# Altium PCB radxa_cm3s_io_board_V1510.PcbDoc (part 2 of 4) (continued)
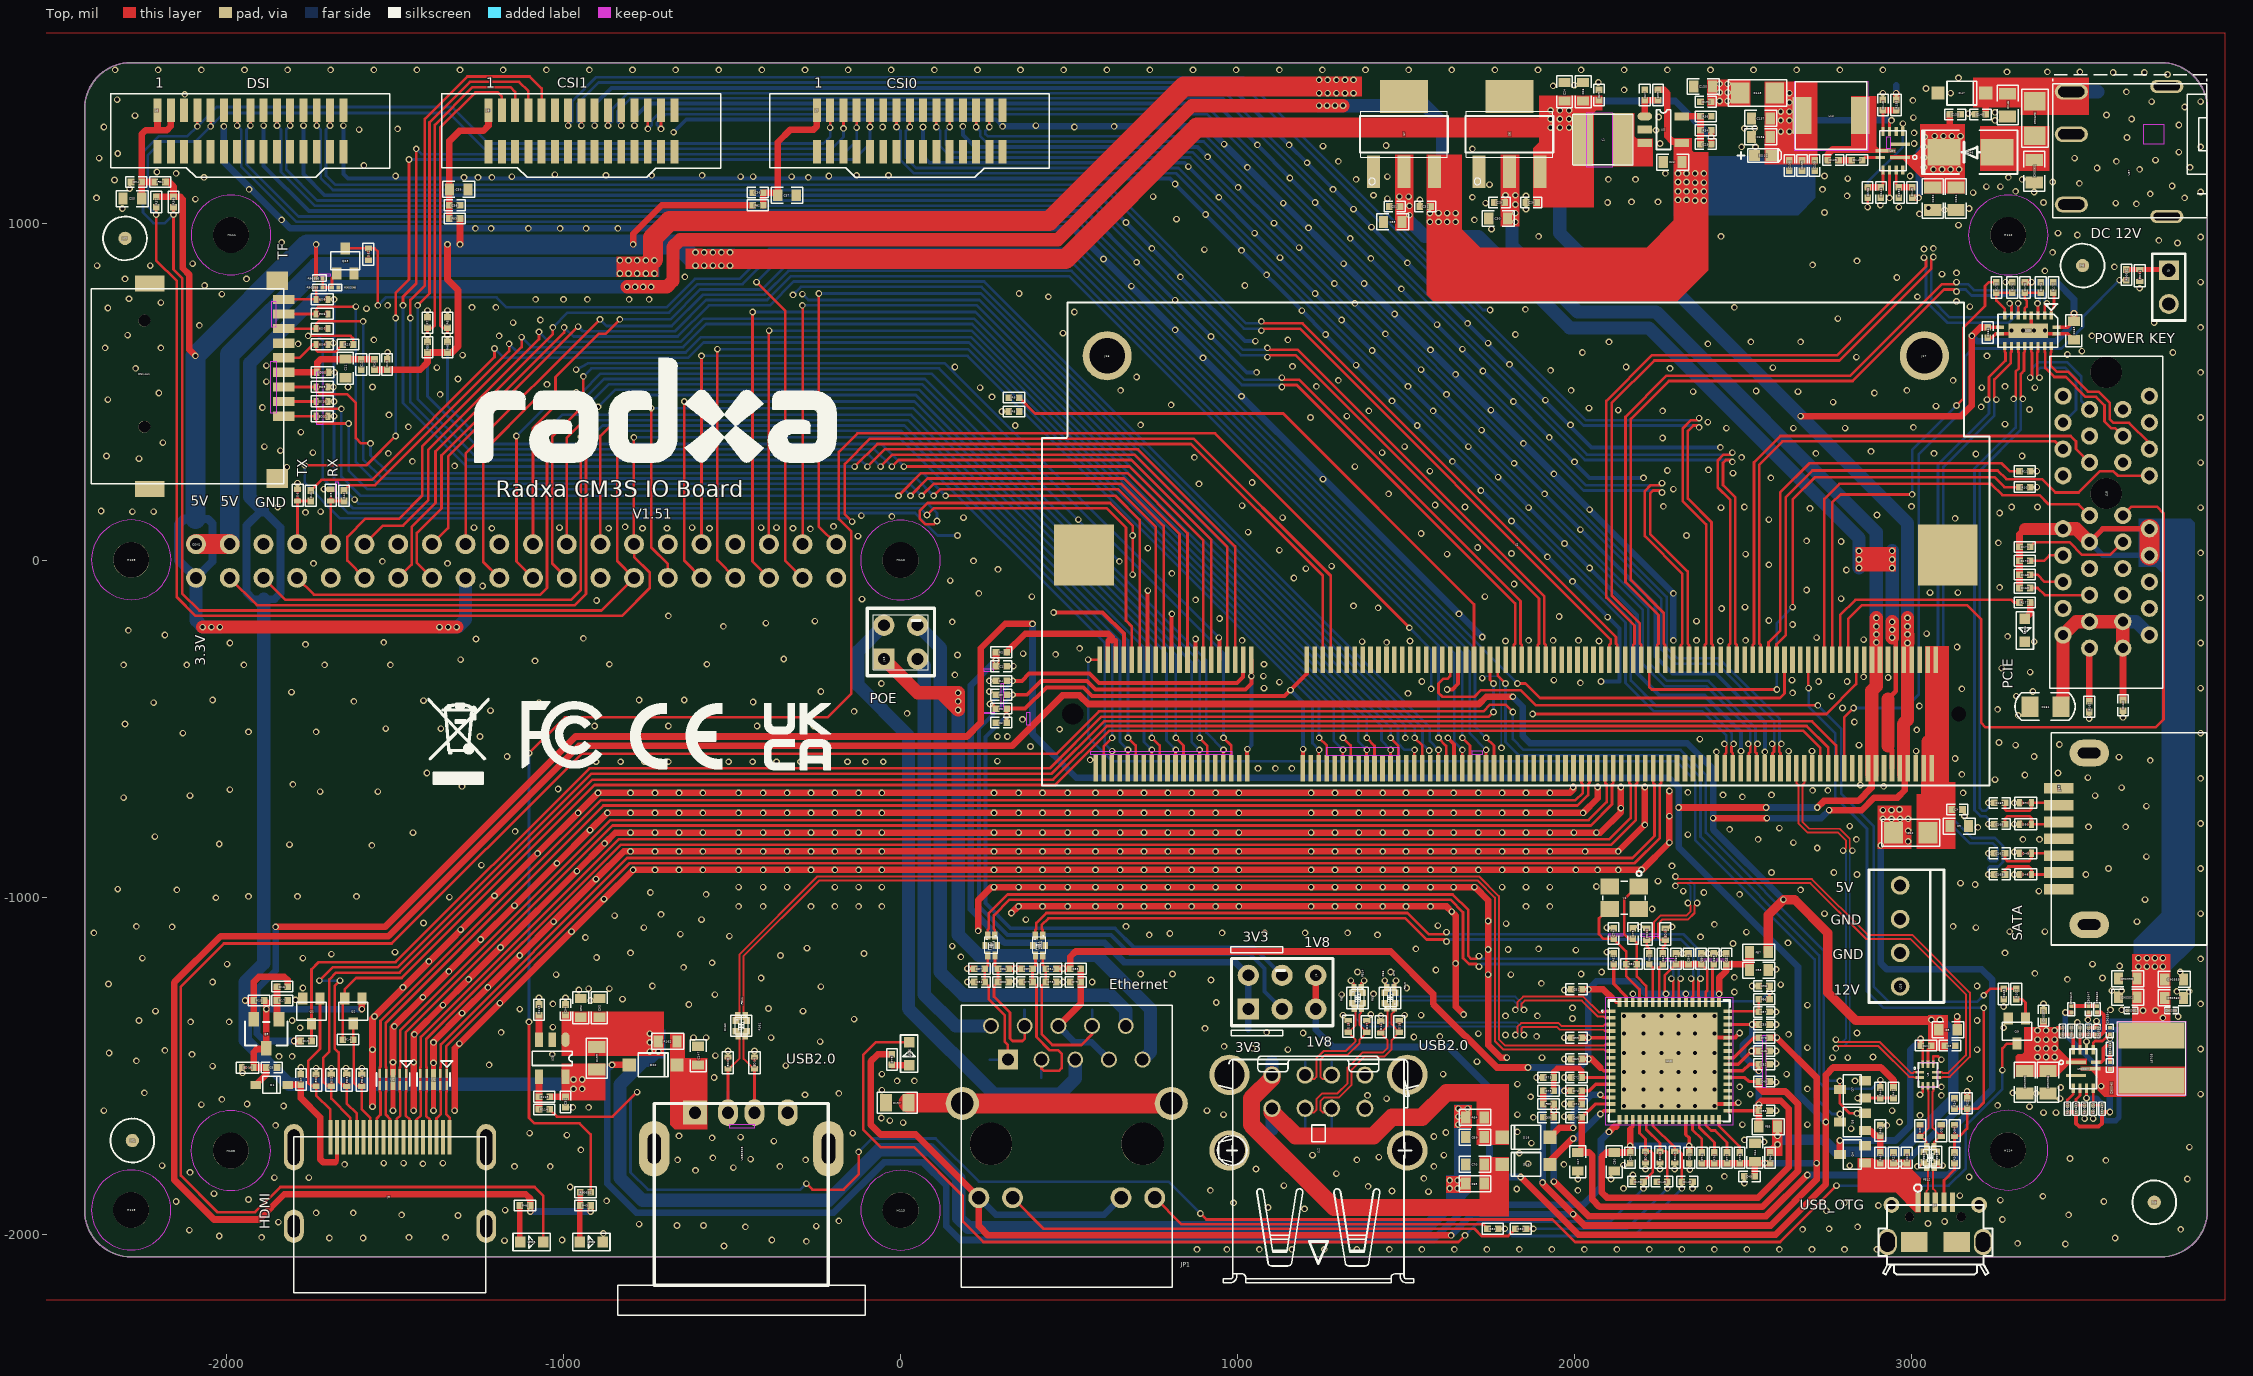
[diagram p0: Top view]
## Nets (pads, with @x,y where several pads share a name; then routed paths per layer and width w, separated by ;. In a path a pad name is that pad's centre, name@x,y a point inside that pad or via, vN(x,y) a via of type N, cw(c..) or ccw(c..) an arc to the next point about the centre after c; other vN are vias at no path point) (continued)
  other v1: 879.92,-2045.28 968.5,-2045.28 1064.96,-2045.28 1161.42,-2045.28 1257.87,-2045.28 1354.33,-2045.28 1450.79,-2045.28 1547.24,-2045.28 1643.7,-2045.28 1740.16,-2045.28 1836.61,-2045.28 1933.07,-2045.28 2029.53,-2045.28 2125.98,-2045.28 2222.44,-2045.28 2318.9,-2045.28 2415.35,-2045.28 2511.81,-2045.28 2608.27,-2045.28 2704.72,-2045.28 2801.18,-2045.28 2897.64,-2045.28 -523.62,-2035.43 3456.69,-2029.53 3314.96,-2027.56 -279.53,-2021.65 -1175.2,-2019.68 -1003.94,-2017.72 -381.89,-2017.72 -1694.88,-2011.81 -1594.49,-2011.81 3604.33,-2011.81 -1895.67,-2009.84 -1458.66,-2009.84 -1350.39,-2009.84 -2021.65,-2005.91 -881.89,-1998.03 -2110.24,-1988.19 2677.17,-1986.22 3799.21,-1986.22 2755.91,-1984.25 -460.63,-1978.35 2840.55,-1978.35 -250,-1976.38 -663.39,-1974.41 -584.65,-1974.41 -775.59,-1970.47 3049.21,-1968.5 -1846.46,-1964.57 3098.43,-1962.6 -183.07,-1960.63 3269.69,-1956.69 -1312.99,-1944.88 -1480.31,-1942.91 3466.54,-1942.91 -1734.25,-1937.01 -1624.02,-1937.01 2748.03,-1931.1 -1173.23,-1929.13 1198.82,-1925.2 1090.55,-1921.26 2901.57,-1915.35 988.19,-1907.48 2801.18,-1907.48 -2149.61,-1903.54 3570.87,-1903.54 -872.05,-1901.57 3263.78,-1899.61 -1935.04,-1897.64 3389.76,-1887.8 3143.7,-1885.83 -2037.4,-1879.92 1566.93,-1874.02 1458.66,-1872.05 919.29,-1870.08 2009.84,-1870.08 1828.74,-1866.14 2145.67,-1864.17 2350.39,-1864.17 2399.61,-1864.17 -980.31,-1860.24 1387.8,-1858.27 1137.8,-1856.3 2503.94,-1848.43 2009.84,-1836.61 2108.27,-1836.61 3818.9,-1836.61 1553.15,-1834.65 -1858.27,-1832.68 -1755.91,-1832.68 3171.26,-1830.71 2444.88,-1828.74 2173.23,-1824.8 1293.31,-1820.87 -2108.27,-1816.93 -608.27,-1811.02 2342.52,-1809.06 1055.12,-1807.09 2210.63,-1807.09 2253.94,-1807.09 2297.24,-1807.09 -496.06,-1803.15 -1145.67,-1799.21 -1039.37,-1799.21 -358.27,-1799.21 1582.68,-1799.21 -2190.94,-1797.24 2816.93,-1797.24 2145.67,-1795.28 -1649.61,-1793.31 1968.5,-1793.31 -1417.32,-1791.34 1862.2,-1791.34 -1533.46,-1789.37 -1474.41,-1789.37 -1358.27,-1789.37 3576.77,-1781.5 -661.42,-1779.53 -281.5,-1779.53 1354.33,-1779.53 -444.88,-1777.56 3470.47,-1775.59 -557.09,-1773.62 1419.29,-1771.65 1222.44,-1765.75 1612.2,-1765.75 1836.61,-1759.84 -948.82,-1750 3824.8,-1742.13 1872.05,-1730.31 2562.99,-1726.38 -375.98,-1724.41 2503.94,-1720.47 -559.06,-1714.57 -474.41,-1712.6 1582.68,-1710.63 -657.48,-1708.66 -990.16,-1706.69 -1100.39,-1700.79 -141.73,-1700.79 1618.11,-1698.82 1830.71,-1696.85 2820.87,-1687.01 -1854.33,-1677.17 2927.17,-1677.17 2498.03,-1675.2 2690.94,-1675.2 7.87,-1669.29 2964.57,-1667.32 -31.5,-1663.39 3513.78,-1657.48 3539.37,-1657.48 -57.09,-1655.51 1877.95,-1653.54 1970.47,-1651.57 3025.59,-1647.64 958.66,-1645.67 1830.71,-1645.67 3391.73,-1639.76 3429.13,-1639.76 -2364.17,-1633.86 909.45,-1633.86 2598.43,-1633.86 2942.91,-1633.86 -972.44,-1624.02 -925.2,-1624.02 3350.39,-1622.05 -1830.71,-1620.08 2147.64,-1620.08 2204.72,-1620.08 2257.87,-1620.08 2309.06,-1620.08 2358.27,-1620.08 3255.91,-1618.11 -2074.8,-1616.14 -1938.98,-1614.17 1970.47,-1614.17 -2013.78,-1600.39 1442.91,-1598.43 3440.94,-1598.43 1870.08,-1592.52 1385.83,-1588.58 3088.58,-1588.58 -283.46,-1586.61 2521.65,-1584.65 3858.27,-1584.65 -183.07,-1582.68 3370.08,-1582.68 -2244.09,-1580.71 3301.18,-1580.71 -55.12,-1572.83 2147.64,-1570.87 2204.72,-1570.87 2257.87,-1570.87 2309.06,-1570.87 2358.27,-1570.87 2415.35,-1570.87 2690.94,-1568.9 3442.91,-1564.96 2490.16,-1562.99 3088.58,-1562.99 1830.71,-1555.12 2598.43,-1549.21 -9.84,-1545.28 41.34,-1545.28 2832.68,-1545.28 3173.23,-1539.37 -553.15,-1535.43 1887.8,-1535.43 1970.47,-1535.43 -55.12,-1525.59 1610.24,-1525.59 2629.92,-1525.59 -1952.76,-1521.65 2147.64,-1519.68 2204.72,-1519.68 2257.87,-1519.68 2309.06,-1519.68 2358.27,-1519.68 2415.35,-1519.68 -1734.25,-1507.87 -1688.98,-1507.87 -1645.67,-1507.87 -1598.43,-1507.87 -1779.53,-1505.91 -2041.34,-1501.97 -340.55,-1500 -1220.47,-1498.03 2598.43,-1494.09 -1444.88,-1490.16 1710.63,-1488.19 -2267.72,-1486.22 1970.47,-1480.31 1903.54,-1476.38 2765.75,-1476.38 2811.02,-1476.38 2885.83,-1474.41 -1844.49,-1472.44 -1805.12,-1472.44 -549.21,-1470.47 -2102.36,-1466.54 -1033.46,-1466.54 -2348.43,-1462.6 2147.64,-1462.6 2204.72,-1462.6 2257.87,-1462.6 2309.06,-1462.6 2358.27,-1462.6 2415.35,-1462.6 -511.81,-1456.69 -433.07,-1456.69 2598.43,-1456.69 -2183.07,-1454.72 -1566.93,-1452.76 1149.61,-1452.76 3194.88,-1452.76 3858.27,-1450.79 1045.28,-1448.82 2690.94,-1446.85 960.63,-1442.91 -1385.83,-1431.1 -238.19,-1429.13 3519.69,-1429.13 -614.17,-1417.32 -576.77,-1417.32 -383.86,-1417.32 1970.47,-1417.32 1523.62,-1415.35 1600.39,-1413.39 1887.8,-1413.39 1795.28,-1409.45 -1442.91,-1407.48 2635.83,-1407.48 1714.57,-1405.51 2147.64,-1405.51 2204.72,-1405.51 2257.87,-1405.51 2309.06,-1405.51 2358.27,-1405.51 1194.88,-1403.54 2838.58,-1403.54 -1185.04,-1401.57 1086.61,-1401.57 903.54,-1389.76 -1781.5,-1387.8 3273.62,-1387.8 -1031.5,-1385.83 -1501.97,-1383.86 2598.43,-1377.95 3492.13,-1372.05 -2106.3,-1370.08 -1992.13,-1370.08 -2259.84,-1366.14 -1805.12,-1366.14 3194.88,-1366.14 -137.8,-1362.2 1994.09,-1360.24 3791.34,-1354.33 1425.2,-1352.36 1795.28,-1352.36 1889.76,-1352.36 2147.64,-1352.36 2204.72,-1352.36 2257.87,-1352.36 2309.06,-1352.36 2358.27,-1352.36 2415.35,-1352.36 1312.99,-1350.39 1496.06,-1350.39 1545.28,-1350.39 1395.67,-1348.43 2598.43,-1340.55 -2210.63,-1338.58 -289.37,-1338.58 3590.55,-1334.65 3624.02,-1334.65 -1129.92,-1332.68 -391.73,-1330.71 1994.09,-1328.74 3273.62,-1324.8 2690.94,-1320.87 -627.95,-1318.9 -1031.5,-1316.93 3391.73,-1316.93 3858.27,-1316.93 937.01,-1312.99 -919.29,-1307.09 -1795.28,-1305.12 -824.8,-1303.15 -1072.83,-1299.21 -994.09,-1299.21 -551.18,-1289.37 1309.06,-1289.37 1403.54,-1287.4 2474.41,-1281.5 3787.4,-1279.53 3824.8,-1279.53 3594.49,-1277.56 3624.02,-1277.56 -954.72,-1275.59 1970.47,-1275.59 -925.2,-1271.65 -864.17,-1271.65 -1773.62,-1269.68 1501.97,-1269.68 -1476.38,-1267.72 -236.22,-1265.75 -736.22,-1263.78 2527.56,-1263.78 3194.88,-1263.78 2612.2,-1259.84 -2350.39,-1257.87 1901.57,-1255.91 -2041.34,-1251.97 198.82,-1251.97 482.28,-1251.97 568.9,-1251.97 340.55,-1250 921.26,-1246.06 3462.6,-1244.09 -413.39,-1240.16 3566.93,-1240.16 2474.41,-1238.19 -1021.65,-1230.31 1811.02,-1230.31 712.6,-1228.35 807.09,-1228.35 2019.69,-1228.35 3366.14,-1226.38 1356.3,-1222.44 1454.72,-1222.44 2080.71,-1222.44 3797.24,-1222.44 1588.58,-1216.54 2598.43,-1214.57 -643.7,-1208.66 3618.11,-1204.72 -1998.03,-1198.82 3537.4,-1198.82 -559.06,-1194.88 -1399.61,-1190.94 3858.27,-1183.07 -2250,-1181.1 -1773.62,-1181.1 -901.57,-1179.13 179.13,-1177.17 -356.3,-1173.23 -1688.98,-1169.29 -108.27,-1167.32 2320.87,-1167.32 2395.67,-1167.32 2433.07,-1167.32 -801.18,-1165.35 3277.56,-1165.35 -1500,-1163.39 2096.46,-1163.39 2003.94,-1157.48 1803.15,-1155.51 1529.53,-1153.54 1893.7,-1153.54 -277.56,-1151.57 153.54,-1145.67 2470.47,-1137.8 2633.86,-1135.83 -935.04,-1120.08 2374.02,-1118.11 -507.87,-1116.14 738.19,-1112.2 1415.35,-1112.2 -653.54,-1110.24 799.21,-1108.27 -2393.7,-1106.3 954.72,-1106.3 1080.71,-1106.3 1200.79,-1106.3 1326.77,-1106.3 2509.84,-1104.33 3291.34,-1102.36 3395.67,-1102.36 -1305.12,-1096.46 -761.81,-1090.55 2096.46,-1090.55 3190.94,-1090.55 -2161.42,-1088.58 2192.91,-1088.58 2289.37,-1088.58 -2267.72,-1086.61 669.29,-1086.61 3124.02,-1086.61 1594.49,-1084.65 2415.35,-1080.71 1797.24,-1078.74 -1415.35,-1076.77 3669.29,-1072.83 -590.55,-1066.93 372.05,-1066.93 -848.43,-1055.12 -710.63,-1051.18 2742.13,-1049.21 3858.27,-1049.21 2230.32,-1035.43 -480.31,-1027.56 -407.48,-1027.56 -265.75,-1027.56 -194.88,-1027.56 -124.02,-1027.56 -55.12,-1027.56 1856.3,-1027.56 1927.17,-1027.56 3692.91,-1007.87 -2031.5,-1001.97 -1338.58,-1000 -1935.04,-998.03 -1789.37,-998.03 -1614.17,-998.03 -1204.72,-996.06 -576.77,-992.13 2490.16,-992.13 -742.13,-986.22 2383.86,-986.22 2322.83,-982.28 3377.95,-982.28 -2147.64,-978.35 2671.26,-978.35 -2322.83,-976.38 -480.31,-970.47 -407.48,-970.47 -336.61,-970.47 -194.88,-970.47 -124.02,-970.47 -55.12,-970.47 1785.43,-970.47 1856.3,-970.47 1927.17,-970.47 2064.96,-968.5 3188.98,-962.6 3145.67,-958.66 2248.03,-952.76 2838.58,-933.07 3305.12,-933.07 3517.72,-933.07 2584.65,-927.17 2769.69,-927.17 3584.65,-915.35 3858.27,-915.35 2289.37,-907.48 -1244.09,-905.51 3696.85,-879.92 3305.12,-866.14 2720.47,-854.33 -1568.9,-846.46 -1812.99,-844.49 -2021.65,-842.52 2649.61,-838.58 2545.28,-828.74 2836.61,-828.74 3330.71,-828.74 3379.92,-828.74 -2212.6,-820.87 2336.61,-814.96 -1446.85,-809.06 -1143.7,-805.12 2460.63,-799.21 2608.27,-795.28 3196.85,-793.31 3525.59,-791.34 3635.83,-791.34 2816.93,-789.37 3305.12,-783.46 3858.27,-781.5 2281.5,-759.84 3157.48,-759.84 3696.85,-730.31 3305.12,-720.47 -2305.12,-704.72 2498.03,-702.76 -2108.27,-698.82 3545.28,-698.82 2440.94,-696.85 2584.65,-696.85 3153.54,-690.94 2336.61,-688.98 -1722.44,-687.01 -1551.18,-687.01 2706.69,-683.07 2751.97,-683.07 -1990.16,-681.1 -1015.75,-679.13 3624.02,-675.2 -1301.18,-671.26 2917.32,-671.26 2848.43,-667.32 -1803.15,-665.35 3248.03,-651.57 3858.27,-647.64 3523.62,-645.67 3336.61,-637.8 3149.61,-635.83 -1405.51,-631.89 3435.04,-631.89 1061.02,-618.11 1112.2,-618.11 1161.42,-618.11 -903.54,-598.43 -830.71,-598.43 -759.84,-598.43 -688.98,-598.43 -582.68,-598.43 -509.84,-598.43 -438.98,-598.43 -368.11,-598.43 -297.24,-598.43 -226.38,-598.43 -157.48,-598.43 -104.33,-598.43 -51.18,-598.43 287.4,-596.46 3708.66,-594.49 562.99,-592.52 3129.92,-588.58 3616.14,-584.65 -1167.32,-582.68 3364.17,-582.68 2421.26,-568.9 2635.83,-566.93 2704.72,-566.93 3013.78,-566.93 385.83,-553.15 2844.49,-549.21 3309.06,-549.21 3438.98,-547.24 3259.84,-541.34 2372.05,-531.5 -1248.03,-523.62 287.4,-523.62 316.93,-523.62 -2129.92,-513.78 3858.27,-513.78 -1935.04,-509.84 -1734.25,-509.84 3015.75,-503.94 472.44,-501.97 -1527.56,-500 -1364.17,-500 -907.48,-492.13 -688.98,-492.13 -425.2,-492.13 -257.87,-492.13 -2301.18,-486.22 2830.71,-480.31 362.2,-472.44 3527.56,-470.47 3627.95,-466.54 3316.93,-460.63 19.69,-454.72 -137.8,-448.82 -1216.54,-446.85 3255.91,-442.91 2795.28,-438.98 3023.62,-433.07 -2216.54,-423.23 -1072.83,-423.23 -437.01,-421.26 -1622.05,-419.29 -1415.35,-417.32 -2041.34,-415.35 -775.59,-415.35 -641.73,-415.35 2763.78,-403.54 3311.02,-403.54 1505.91,-395.67 2647.64,-393.7 -1807.09,-391.73 -236.22,-389.76 263.78,-389.76 3360.24,-389.76 3149.61,-381.89 1078.74,-379.92 3858.27,-379.92 -57.09,-366.14 2017.72,-364.17 1124.02,-362.2 1547.24,-360.24 2724.41,-360.24 2809.06,-360.24 263.78,-358.27 1938.98,-356.3 2645.67,-356.3 2931.1,-348.43 2858.27,-346.46 1076.77,-344.49 161.42,-340.55 3352.36,-332.68 3267.72,-320.87 334.65,-314.96 -2305.12,-311.02 -2118.11,-311.02 -1948.82,-311.02 -1708.66,-311.02 -1513.78,-311.02 -864.17,-309.06 -574.8,-309.06 1078.74,-309.06 -1084.65,-299.21 -1305.12,-295.28 -346.46,-293.31 169.29,-281.5 460.63,-279.53 364.17,-277.56 531.5,-261.81 3135.83,-257.87 -1765.75,-250 -1990.16,-246.06 3858.27,-246.06 -1533.46,-244.09 1442.91,-244.09 1370.08,-242.13 3364.17,-242.13 1511.81,-240.16 1795.28,-240.16 2072.83,-240.16 2433.07,-240.16 1013.78,-238.19 1864.17,-238.19 1937.01,-238.19 2011.81,-238.19 2362.2,-238.19 2507.87,-238.19 2858.27,-236.22 -1259.84,-234.25 -940.94,-232.28 2718.5,-230.31 3285.43,-226.38 -2183.07,-222.44 3045.28,-218.5 -2291.34,-208.66 -525.59,-196.85 2647.64,-190.94 -399.61,-187.01 153.54,-183.07 -253.94,-181.1 2362.2,-181.1 2576.77,-179.13 946.85,-173.23 2098.43,-169.29 1954.72,-167.32 -688.98,-165.35 1657.48,-159.45 2437.01,-143.7 1417.32,-141.73 2505.91,-139.76 1344.49,-135.83 -901.57,-120.08 875.98,-118.11 -114.17,-116.14 2791.34,-114.17 3858.27,-112.2 389.76,-108.27 1734.25,-108.27 232.28,-98.43 3055.12,-96.46 3137.8,-96.46 2688.98,-88.58 3261.81,-80.71 -1240.16,-76.77 1820.87,-70.87 147.64,-61.02 1167.32,-53.15 805.12,-39.37 2807.09,-29.53 289.37,-27.56 1202.76,-25.59 1279.53,-17.72 2576.77,-13.78 -1742.13,-9.84 -1344.49,-9.84 -1537.4,-3.94 216.54,-1.97 1919.29,9.84 1622.05,17.72 2507.87,17.72 1812.99,19.69 3858.27,21.65 1124.02,29.53 734.25,35.43 1712.6,37.4 1970.47,49.21 3257.87,51.18 2791.34,55.12 2688.98,57.09 -125.98,70.87 2332.68,72.83 1545.28,78.74 1031.5,82.68 -267.72,92.52 -1212.6,94.49 -866.14,94.49 -765.75,94.49 -692.91,94.49 -566.93,94.49 -318.9,94.49 -1265.75,96.46 -1011.81,96.46 -618.11,96.46 -413.39,96.46 -368.11,96.46 -816.93,98.43 -198.82,100.39 1812.99,116.14 527.56,120.08 2576.77,120.08 3129.92,124.02 187.01,125.98 1133.86,125.98 -25.59,129.92 -116.14,131.89 2897.64,133.86 3261.81,139.76 -1765.75,141.73 -2279.53,143.7 -2216.54,143.7 -1720.47,143.7 -2372.05,145.67 2698.82,153.54 1864.17,155.51 2435.04,155.51 3858.27,155.51 -1848.43,157.48 1675.2,157.48 2503.94,157.48 3297.24,157.48 3374.02,157.48 2263.78,159.45 3000,159.45 1013.78,161.42 1586.61,163.39 1448.82,196.85 1722.44,206.69 -1710.63,210.63 2293.31,210.63 3372.05,216.54 885.83,226.38 -1789.37,228.35 1043.31,230.32 1253.94,240.16 2582.68,244.09 1773.62,246.06 2470.47,257.87 1570.87,263.78 3372.05,263.78 2275.59,265.75 2397.64,267.72 -1820.87,275.59 1348.43,277.56 -1322.83,279.53 3858.27,289.37 2000,291.34 -1448.82,293.31 -2259.84,301.18 872.05,305.12 2496.06,305.12 -2356.3,309.06 3328.74,309.06 3190.94,314.96 -1519.68,316.93 2716.54,316.93 3066.93,316.93 -1744.09,318.9 1429.13,318.9 2879.92,322.83 -1840.55,324.8 -1887.8,336.61 1496.06,336.61 -2188.98,348.43 2261.81,362.2 -1779.53,379.92 1724.41,385.83 2450.79,391.73 2649.61,391.73 2803.15,391.73 3005.91,393.7 -1460.63,395.67 340.55,399.61 1533.46,399.61 712.6,401.57 1988.19,401.57 3277.56,403.54 2395.67,409.45 1216.54,423.23 3858.27,423.23 1324.8,427.17 -1517.72,431.1 301.18,440.94 1389.76,442.91 1580.71,442.91 2261.81,442.91 1751.97,444.88 2129.92,444.88 3350.39,446.85 2043.31,450.79 -1893.7,452.76 3206.69,454.72 3072.83,456.69 803.15,460.63 2767.72,468.5 1913.39,474.41 -2352.36,476.38 271.65,484.25 1011.81,486.22 -1366.14,492.13 1620.08,492.13 -2200.79,496.06 2889.76,496.06 2352.36,500 2663.39,500 2539.37,501.97 653.54,503.94 1990.16,503.94 2986.22,503.94 236.22,511.81 3208.66,511.81 3366.14,511.81 -1683.07,513.78 -1639.76,513.78 -1566.93,513.78 1234.25,515.75 3277.56,515.75 -1049.21,521.65 -1881.89,529.53 1299.21,533.46 3124.02,533.46 -1312.99,537.4 700.79,543.31 1647.64,551.18 -1679.13,557.09 3858.27,557.09 1929.13,562.99 1545.28,564.96 -2269.68,568.9 2283.46,568.9 -1375.98,570.87 2588.58,570.87 161.42,572.83 2153.54,572.83 1163.39,574.8 -1881.89,576.77 1807.09,580.71 897.64,600.39 2836.61,602.36 3224.41,606.3 -1299.21,608.27 3462.6,610.24 -1521.65,616.14 2023.62,616.14 3775.59,616.14 3505.91,620.08 1572.83,624.02 1667.32,625.98 -2360.24,629.92 -2194.88,629.92 -1787.4,641.73 2395.67,641.73 -1683.07,643.7 1744.09,643.7 2102.36,647.64 2523.62,647.64 2671.26,647.64 -1562.99,653.54 1149.61,653.54 3610.24,663.39 -1190.94,665.35 3535.43,665.35 -2293.31,667.32 1824.8,669.29 1438.98,671.26 482.28,673.23 3297.24,681.1 3330.71,681.1 3364.17,681.1 3395.67,681.1 814.96,683.07 3858.27,690.94 -2080.71,696.85 1592.52,698.82 -1149.61,704.72 3720.47,704.72 -1068.9,712.6 2781.5,716.54 1466.54,730.32 515.75,736.22 -1403.54,740.16 -1344.49,740.16 1854.33,744.09 -1584.65,746.06 -2352.36,748.03 -1271.65,750 -1200.79,750 2474.41,750 3173.23,751.97 -1521.65,755.91 1348.43,761.81 -2194.88,763.78 3133.86,767.72 814.96,771.65 -1082.68,773.62 -1000,773.62 -929.13,773.62 -805.12,773.62 -746.06,773.62 -2289.37,775.59 438.98,781.5 3017.72,781.5 -2013.78,789.37 352.36,791.34 1486.22,805.12 3677.17,807.09 685.04,812.99 -2064.96,814.96 1021.65,814.96 1375.98,820.87 3279.53,824.8 3858.27,824.8 -2301.18,834.65 -1940.94,834.65 2956.69,838.58 -639.76,840.55 1086.61,846.46 3090.55,848.43 3133.86,852.36 3395.67,858.27 3602.36,870.08 -2383.86,874.02 -2226.38,874.02 2706.69,875.98 -2100.39,879.92 2838.58,887.8 602.36,893.7 1395.67,895.67 1125.98,897.64 3419.29,913.39 901.57,921.26 3037.4,923.23 3064.96,925.2 1183.07,927.17 3789.37,940.94 -1836.61,942.91 3734.25,948.82 3858.27,958.66 1893.7,960.63 2435.04,960.63 3492.13,964.57 3435.04,970.47 1753.94,982.28 1210.63,986.22 3139.76,994.09 1702.76,1009.84 818.9,1011.81 3023.62,1027.56 2742.13,1031.5 3098.43,1039.37 1856.3,1041.34 -2309.06,1043.31 3171.26,1043.31 3051.18,1045.28 2962.6,1047.24 2907.48,1053.15 3667.32,1057.09 1736.22,1059.06 3606.3,1059.06 1230.32,1061.02 2098.43,1061.02 3391.73,1061.02 2169.29,1062.99 2248.03,1062.99 1541.34,1068.9 -2092.52,1070.87 -2385.83,1074.8 3811.02,1074.8 1696.85,1076.77 750,1078.74 1856.3,1080.71 2809.06,1080.71 1403.54,1082.68 3708.66,1086.61 3183.07,1090.55 3364.17,1092.52 3858.27,1092.52 3309.06,1094.49 -1933.07,1100.39 1283.46,1100.39 2736.22,1100.39 -2287.4,1102.36 3222.44,1108.27 3263.78,1108.27 3773.62,1110.24 1748.03,1114.17 3498.03,1118.11 3419.29,1122.05 -2332.68,1127.95 1352.36,1129.92 2100.39,1129.92 2181.1,1129.92 3328.74,1129.92 2811.02,1131.89 -2066.93,1135.83 -1295.28,1135.83 -1253.94,1135.83 -1212.6,1135.83 -273.62,1135.83 3287.4,1135.83 -1153.54,1137.8 -474.41,1137.8 -437.01,1137.8 -322.83,1137.8 1444.88,1137.8 -1498.03,1139.76 -212.6,1139.76 2742.13,1139.76 2996.06,1139.76 -874.02,1141.73 -738.19,1141.73 -588.58,1141.73 -129.92,1141.73 -35.43,1141.73 -1025.59,1143.7 -2149.61,1147.64 2269.69,1147.64 -2206.69,1151.57 3677.17,1159.45 3551.18,1163.39 3826.77,1165.35 -1592.52,1171.26 1299.21,1183.07 3608.27,1183.07 3724.41,1187.01 -2377.95,1192.91 3484.25,1192.91 -2322.83,1206.69 3793.31,1210.63 1696.85,1220.47 2496.06,1226.38 2537.4,1226.38 3858.27,1226.38 1253.94,1228.35 1440.94,1230.32 960.63,1234.25 2253.94,1236.22 3007.87,1236.22 3639.76,1253.94 3007.87,1267.72 2242.13,1275.59 -1606.3,1277.56 -1492.13,1279.53 2503.94,1281.5 2535.43,1281.5 -2364.17,1285.43 -53.15,1285.43 515.75,1285.43 401.57,1289.37 3793.31,1291.34 3248.03,1305.12 3653.54,1309.06 3005.91,1312.99 2250,1314.96 -2271.65,1318.9 3578.74,1320.87 3169.29,1324.8 3248.03,1328.74 3811.02,1344.49 3712.6,1360.24 3858.27,1360.24 3003.94,1364.17 -2324.8,1366.14 -2124.02,1381.89 2915.35,1385.83 3116.14,1385.83 3637.8,1389.76 2147.64,1395.67 3043.31,1399.61 1937.01,1407.48 2000,1409.45 2070.87,1417.32 3139.76,1431.1 3759.84,1440.94 3598.43,1446.85 3690.94,1446.85 3283.46,1448.82 3403.54,1448.82 3500,1448.82 -2330.71,1454.72 -2202.76,1454.72 -2074.8,1454.72 -1946.85,1454.72 -1818.9,1454.72 -1690.94,1454.72 -1562.99,1454.72 -1435.04,1454.72 -1307.09,1454.72 -1179.13,1454.72 -1051.18,1454.72 -923.23,1454.72 -795.28,1454.72 -667.32,1454.72 -539.37,1454.72 -411.42,1454.72 -283.46,1454.72 -155.51,1454.72 -27.56,1454.72 100.39,1454.72 228.35,1454.72 356.3,1454.72 484.25,1454.72 612.2,1454.72 740.16,1454.72 868.11,1454.72 996.06,1454.72 1124.02,1454.72 1251.97,1454.72 1379.92,1454.72 1507.87,1454.72 1635.83,1454.72 1763.78,1454.72 1891.73,1454.72 2019.69,1454.72 2147.64,1454.72 2275.59,1454.72 2403.54,1454.72 2531.5,1454.72 2659.45,1454.72 2787.4,1454.72 2915.35,1454.72
GPIO0-27_VREF: C3.1 J1.3 J2.39 J2.40 | length 2847.1
  Top w11.81: C3.1@314.96,-399.61 v1(332.68,-399.61) 375.98,-399.61 417.32,-358.27 553.15,-358.27 578.74,-383.86 1023.62,-383.86 1041.34,-366.14 v1(1041.34,-344.49) 1041.34,-296.06 J2.40@1040.55,-295.28 ; J2.39@1028.74,-618.11 1028.74,-561.81 v1(1029.53,-561.02)
  Bottom w11.81: v1(332.68,-399.61) 232.28,-500 232.28,-1027.56 316.93,-1112.2 624.02,-1112.2 681.1,-1169.29 1037.4,-1169.29 1080.71,-1212.6 1080.71,-1280.71 J1.3@1132.28,-1332.28 ; v1(1029.53,-561.02) 1041.34,-549.21 v1(1041.34,-344.49)
GPIO28-45_VREF: C2.2 J1.4 J2.41 J2.42 R5.2 | length 2837
  Top w11.81: C2.2@314.96,-482.28 v1(314.96,-462.6) R5.2@314.96,-440.94 370.08,-440.94 433.07,-377.95 543.31,-377.95 568.9,-403.54 1139.76,-403.54 v1(1157.48,-385.83) 1194.88,-348.43 1194.88,-347.64 1205.91,-336.61 J2.42@1205.91,-295.28 ; J2.41@1194.09,-618.11 1194.09,-561.81 v1(1194.88,-561.02)
  Bottom w11.81: v1(314.96,-462.6) 251.97,-525.59 251.97,-1017.72 326.77,-1092.52 635.83,-1092.52 692.91,-1149.61 1049.61,-1149.61 J1.4@1132.28,-1232.28 ; v1(1157.48,-385.83) 1194.88,-423.23 v1(1194.88,-561.02)
GR-: JP1.12 R80.2 | length 1548.4
  Top w7.87: JP1.12@332.48,-1892.13 424.61,-1984.25 1702.76,-1984.25 1724.41,-2005.91 1803.15,-2005.91 R80.2@1824.8,-1984.25
HDMI_5V: C6.1 D1.1 ED18.1 Q2.1 Q3.3 R15.2 | length 648.8
  Top w19.68: D1.1@-1913.39,-1557.09 -1881.89,-1525.59 C6.1@-1881.89,-1505.91 ED18.1@-1919.29,-1505.91 -1919.29,-1460.63 -1909.45,-1450.79 -1883.86,-1450.79 Q3.3@-1881.89,-1448.82 v1(-1881.89,-1332.68) -1881.89,-1312.99 R15.2@-1887.8,-1307.09 ; v1(-1598.43,-1332.68) -1598.43,-1301.07 Q2.1@-1598.19,-1300.84
  Bottom w19.68: v1(-1881.89,-1332.68) v1(-1598.43,-1332.68)
HDMI_CEC_PORT: ED4.1 J3.13 Q2.3 R14.2 | length 390
  Top w7.87: Q2.3@-1623.78,-1375.64 R14.2@-1623.78,-1422.88 -1622.05,-1422.88 -1622.05,-1551.18 -1612.2,-1561.02 ED4.1@-1598.43,-1561.02 -1598.43,-1629.92 -1573.94,-1654.41 -1573.94,-1724.07 J3.13@-1573.94,-1712.26
HDMI_HPD_PORT: ED1.1 J3.19 Q1.1 | length 465.7
  Top w7.87: Q1.1@-1722.44,-1301.18 -1722.44,-1450.79 -1757.87,-1486.22 -1757.87,-1551.18 -1748.03,-1561.02 ED1.1@-1734.25,-1561.02 -1734.25,-1588.58 -1692.05,-1630.79 -1692.05,-1714.57 J3.19@-1692.05,-1712.26
HDMI_TX0N_PORT: J2.117 J3.9 U2.2 U2.9 | length 4308.8
  Top w7.87: J3.9@-1495.2,-1712.26 -1495.2,-1724.07 -1495.2,-1658.58 -1484.25,-1647.64 -1484.25,-1578.74 -1486.23,-1576.77 U2.9@-1486.23,-1558.56 U2.2@-1486.23,-1524.12 -1486.23,-1505.91 -1484.25,-1503.93 -1484.25,-1395.16 -860.75,-771.65 2042.01,-771.65 2095.67,-718 2095.67,-665.35 2091.73,-661.42 J2.117@2091.73,-618.11
HDMI_TX0P_PORT: J2.119 J3.7 U2.1 U2.10 | length 4309.5
  Top w7.87: J3.7@-1455.83,-1712.26 -1455.83,-1724.07 -1455.83,-1660.32 -1468.51,-1647.64 -1468.51,-1578.74 -1466.54,-1576.77 U2.10@-1466.54,-1558.56 U2.1@-1466.54,-1524.12 -1466.54,-1505.91 -1468.51,-1503.93 -1468.51,-1401.68 -854.23,-787.4 2048.54,-787.4 2111.42,-724.52 2111.42,-665.35 2115.35,-661.42 J2.119@2115.35,-618.11
HDMI_TX1N_PORT: J2.123 J3.6 U1.5 U1.6 | length 4335.3
  Top w7.87: J3.6@-1436.15,-1712.26 -1436.15,-1724.07 -1436.15,-1660.56 -1423.23,-1647.64 -1423.23,-1622.39 -1423.23,-1578.74 -1425.2,-1576.77 U1.6@-1425.2,-1558.56 U1.5@-1425.2,-1524.12 -1425.2,-1505.91 -1423.23,-1503.93 -1423.23,-1415.35 -836.61,-828.74 2103.04,-828.74 2166.54,-765.24 2166.54,-665.35 2162.6,-661.42 J2.123@2162.6,-618.11
HDMI_TX1P_PORT: J2.125 J3.4 U1.4 U1.7 | length 4334.4
  Top w7.87: J3.4@-1396.78,-1712.26 -1396.78,-1724.07 -1396.78,-1660.31 -1407.48,-1649.61 -1407.48,-1578.74 -1405.51,-1576.77 U1.7@-1405.51,-1558.56 U1.4@-1405.51,-1524.12 -1405.51,-1505.91 -1407.48,-1503.93 -1407.48,-1421.88 -830.09,-844.49 2109.56,-844.49 2182.28,-771.77 2182.28,-665.35 2186.22,-661.42 J2.125@2186.22,-618.11
HDMI_TX2N_PORT: J2.129 J3.3 U1.2 U1.9 | length 4365.6
  Top w7.87: J3.3@-1377.09,-1712.26 -1377.09,-1724.07 -1377.09,-1656.61 -1364.18,-1643.7 -1364.18,-1578.74 -1366.15,-1576.77 U1.9@-1366.15,-1558.56 U1.2@-1366.15,-1524.12 -1366.15,-1505.91 -1364.18,-1503.93 -1364.18,-1437.01 -811.03,-883.86 2171.94,-883.86 2237.4,-818.39 2237.4,-665.35 2233.46,-661.42 J2.129@2233.46,-618.11
HDMI_TX2P_PORT: J2.131 J3.1 U1.1 U1.10 | length 4364.7
  Top w7.87: J3.1@-1337.72,-1712.26 -1337.72,-1724.07 -1337.72,-1654.41 -1348.43,-1643.7 -1348.43,-1578.74 -1346.46,-1576.77 U1.10@-1346.46,-1558.56 U1.1@-1346.46,-1524.12 -1346.46,-1505.91 -1348.43,-1503.93 -1348.43,-1443.53 -804.5,-899.61 2178.46,-899.61 2253.15,-824.92 2253.15,-665.35 2257.09,-661.42 J2.131@2257.09,-618.11
HDMI_TX_CEC_PORT: J2.171 Q2.2 R14.1 | length 4930.8
  Top w7.87: R14.1@-1655.28,-1422.88 -1655.28,-1306.74 Q2.2@-1649.37,-1300.84 -1649.37,-1273.62 -1615.91,-1240.16 -1480.31,-1240.16 -907.48,-667.32 458.66,-667.32 620.08,-505.91 2678.35,-505.91 2729.53,-557.09 J2.171@2729.53,-618.11
HDMI_TX_HPD_PORT: J2.88 Q1.3 R13.1 | length 4196.8
  Top w7.87: R13.1@-1748.03,-1427.17 Q1.3@-1748.03,-1375.98 -1748.03,-1214.57 -1726.38,-1192.91 -1498.03,-1192.91 -923.23,-618.11 442.91,-618.11 596.46,-464.57 1746.06,-464.57 v1(1759.84,-450.79) ; J2.88@1749.21,-295.28 1749.21,-355.51 v1(1759.84,-366.14)
  Bottom w7.87: v1(1759.84,-450.79) v1(1759.84,-366.14)
HDMI_TXCLKN_PORT: J2.111 J3.12 U2.5 U2.6 | length 4297.1
  Top w7.87: J3.12@-1554.26,-1712.26 -1554.26,-1724.07 -1554.26,-1656.62 -1543.3,-1645.67 -1543.3,-1621.81 -1543.3,-1578.74 -1545.28,-1576.77 U2.6@-1545.28,-1558.56 U2.5@-1545.28,-1524.12 -1545.28,-1505.91 -1543.3,-1503.93 -1543.3,-1367.49 -888.41,-712.6 2002.64,-712.6 2024.8,-690.44 2024.8,-665.35 2020.87,-661.42 J2.111@2020.87,-618.11
HDMI_TXCLKP_PORT: J2.113 J3.10 U2.4 U2.7 | length 4297.8
  Top w7.87: J3.10@-1514.89,-1712.26 -1514.89,-1724.07 -1514.89,-1658.34 -1527.56,-1645.67 -1527.56,-1578.74 -1525.59,-1576.77 U2.7@-1525.59,-1558.56 U2.4@-1525.59,-1524.12 -1525.59,-1505.91 -1527.56,-1503.93 -1527.56,-1374.01 -881.89,-728.35 2009.17,-728.35 2040.55,-696.96 2040.55,-665.35 2044.49,-661.42 J2.113@2044.49,-618.11
HDMI_TXDDC_SCL_PORT: ED3.1 J2.175 J3.15 | length 5506
  Top w7.87: v1(-1724.41,-1248.03) -1685.04,-1208.66 -1492.13,-1208.66 -917.32,-633.86 448.82,-633.86 604.33,-478.35 2704.72,-478.35 2776.77,-550.39 J2.175@2776.77,-618.11 ; v1(-1663.39,-1248.03) -1679.13,-1263.78 -1679.13,-1448.82 -1667.32,-1460.63 -1667.32,-1547.24 -1653.54,-1561.02 ED3.1@-1643.7,-1561.02 -1643.7,-1612.2 -1613.31,-1642.6 -1613.31,-1724.07 J3.15@-1613.31,-1712.26
  Bottom w7.87: v1(-1724.41,-1248.03) v1(-1663.39,-1248.03)
HDMI_TXDDC_SDA_PORT: ED2.1 J2.173 J3.16 | length 5379.7
  Top w7.87: J3.16@-1633,-1712.26 -1633,-1720.47 -1633,-1654.4 -1688.98,-1598.43 ED2.1@-1688.98,-1561.02 -1700.79,-1561.02 -1712.6,-1549.21 -1712.6,-1476.38 -1694.88,-1458.66 -1694.88,-1244.09 -1675.2,-1224.41 -1486.22,-1224.41 -913.39,-651.57 452.76,-651.57 612.2,-492.13 2688.98,-492.13 2753.15,-556.3 J2.173@2753.15,-618.11
I2C1_SCL: CON1.5 J2.11 | length 3740.2
  Top w7.87: CON1.5@-1890.55,-52.76 -1825.2,-118.11 -978.35,-118.11 -948.82,-88.58 v1(-948.82,366.14) ; v1(675.2,-527.56) 698.03,-550.39 J2.11@698.03,-618.11
  Bottom w7.87: v1(-948.82,366.14) -899.61,415.35 21.65,415.35 675.2,-238.19 v1(675.2,-527.56)
I2C1_SDA: CON1.3 J2.9 | length 3813.8
  Top w7.87: CON1.3@-1990.55,-52.76 -1909.45,-133.86 -966.54,-133.86 -933.07,-100.39 -933.07,350.39 v1(-919.29,364.17) ; J2.9@674.41,-618.11 674.41,-563.78 v1(675.2,-562.99)
  Bottom w7.87: v1(-919.29,364.17) -883.86,399.61 11.81,399.61 651.57,-240.16 651.57,-539.37 v1(675.2,-562.99)
I2C2_SCL_M1: CON1.28 J2.5 J6.5 J7.3 R37.1 | length 7629.6
  Top w7.87: R37.1@-2208.66,1047.24 v1(-2208.66,1025.59) -2208.66,889.76 -2147.64,828.74 -2147.64,-110.24 -2092.52,-165.35 -826.77,-165.35 -744.09,-82.68 -744.09,-37.4 -790.55,9.06 CON1.28@-790.55,47.24 -791.34,48.03 v1(-791.34,364.17) ; v1(-2047.24,1287.4) J6.5@-2047.24,1334.65 ; v1(-169.29,1281.5) J7.3@-169.29,1334.65 ; J2.5@627.17,-618.11 627.17,-566.93 v1(627.95,-566.93)
  Bottom w7.87: v1(-2208.66,1025.59) -2234.25,1051.18 -2234.25,1200.79 -2192.91,1242.13 -2092.52,1242.13 v1(-2047.24,1287.4) -2007.87,1326.77 -1340.55,1326.77 -1234.25,1220.47 -204.72,1220.47 -169.29,1255.91 v1(-169.29,1281.5) ; v1(-791.34,364.17) -3.94,364.17 606.3,-246.06 606.3,-545.28 v1(627.95,-566.93)
I2C2_SCL_MO: CON1.13 J2.89 | length 4622.6
  Top w7.87: CON1.13@-1490.55,-52.76 -1450.79,-12.99 -1450.79,98.43 -1379.92,169.29 -1379.92,322.83 -1031.5,671.26 v1(-1031.5,690.94) ; v1(1738.19,-527.56) 1761.02,-550.39 J2.89@1761.02,-618.11
  Bottom w7.87: v1(-1031.5,690.94) -988.19,734.25 -687.01,734.25 -602.36,818.9 -468.5,818.9 -379.92,907.48 533.46,907.48 1704.72,-263.78 1704.72,-494.09 v1(1738.19,-527.56)
I2C2_SDA_M1: CON1.27 J2.3 J6.4 J7.2 R38.1 | length 7685.7
  Top w7.87: R38.1@-2157.48,1047.24 v1(-2157.48,1025.59) -2157.48,862.2 -2131.89,836.61 -2131.89,-98.43 -2080.71,-149.61 -887.4,-149.61 CON1.27@-790.55,-52.76 -840.55,-2.76 v1(-840.55,364.17) ; v1(-2086.61,1287.4) J6.4@-2086.61,1334.65 ; v1(-208.66,1283.46) J7.2@-208.66,1334.65 ; J2.3@603.54,-618.11 603.54,-551.97 v1(627.95,-527.56)
  Bottom w7.87: v1(-2157.48,1025.59) -2183.07,1000 -2216.54,1000 -2248.03,1031.5 -2248.03,1210.63 -2200.79,1257.87 -2116.14,1257.87 v1(-2086.61,1287.4) -2029.53,1344.49 -1330.71,1344.49 -1222.44,1236.22 -228.35,1236.22 -208.66,1255.91 v1(-208.66,1283.46) ; v1(-840.55,364.17) -820.87,383.86 1.97,383.86 627.95,-242.13 v1(627.95,-527.56)
I2C2_SDA_MO: CON1.37 J2.87 | length 3927.1
  Top w7.87: v1(-427.17,824.8) -342.52,740.16 -342.52,-0.79 CON1.37@-290.55,-52.76 ; J2.87@1737.4,-618.11 1737.4,-563.78 v1(1738.19,-562.99)
  Bottom w7.87: v1(-427.17,824.8) -360.24,891.73 525.59,891.73 1688.98,-271.65 1688.98,-513.78 v1(1738.19,-562.99)
I2C3_SCL: J2.30 J8.3 R7.2 R39.1 | length 4061.4
  Top w7.87: R39.1@-1403.54,647.64 v1(-1403.54,667.32) R7.2@-1403.54,688.98 -1389.76,688.98 -1381.89,696.85 -1381.89,1291.34 -1269.68,1403.54 -1157.48,1403.54 -1143.7,1389.76 J8.3@-1143.7,1334.65 ; v1(-25.59,277.56) -5.91,297.24 685.04,297.24 922.44,59.84 J2.30@922.44,-295.28
  Bottom w7.87: v1(-1403.54,667.32) -1403.54,486.22 -1246.06,328.74 -76.77,328.74 v1(-25.59,277.56)
I2C3_SDA: J2.28 J8.2 R6.2 R40.1 | length 3897.7
  Top w7.87: R40.1@-1344.49,647.64 v1(-1344.49,667.32) R6.2@-1344.49,688.98 -1358.27,688.98 -1366.14,696.85 -1366.14,1250 -1366.14,1283.46 -1261.81,1387.8 -1194.88,1387.8 -1183.07,1375.98 J8.2@-1183.07,1334.65 ; v1(9.84,277.56) 679.13,277.56 898.82,57.87 J2.28@898.82,-295.28
  Bottom w7.87: v1(-1344.49,667.32) -1344.49,456.69 -1232.28,344.49 -57.09,344.49 v1(9.84,277.56)
I2S1_LRCK_RX_M1: CON1.26 J2.23 | length 2744.7
  Top w7.87: CON1.26@-890.55,47.24 -890.55,368.11 -807.87,450.79 v1(-807.09,450.79) ; v1(816.93,-527.56) 817.13,-527.56 839.76,-550.2 J2.23@839.76,-618.11
  Bottom w7.87: v1(-807.09,450.79) -805.12,450.79 -765.75,490.16 45.28,490.16 816.93,-281.5 v1(816.93,-527.56)
I2S1_SDI2_M1: CON1.7 J2.15 | length 3683.5
  Top w7.87: CON1.7@-1790.55,-52.76 -1740.94,-102.36 -1068.9,-102.36 -1049.21,-82.68 -1049.21,385.83 v1(-1027.56,407.48) ; J2.15@745.28,-618.11 745.28,-563.78 v1(746.06,-562.99)
  Bottom w7.87: v1(-1027.56,407.48) -1003.94,431.1 31.5,431.1 722.44,-259.84 722.44,-539.37 v1(746.06,-562.99)
I2S1_SDI3_M1: CON1.31 J2.21 | length 2637.7
  Top w7.87: v1(-641.73,470.47) -641.73,-1.57 CON1.31@-590.55,-52.76 ; J2.21@816.14,-618.11 816.14,-563.78 v1(816.93,-562.99)
  Bottom w7.87: v1(-641.73,470.47) 41.34,470.47 789.37,-277.56 789.37,-535.43 v1(816.93,-562.99)
J4J5: J13.4 JP1.10 | length 1925.7
  Top w7.87: v1@171.26,-421.26 v1(171.26,-419.29)
  Top w39.37: J13.4@-49.21,-293.31 51.18,-393.7 120.08,-393.7 ; v1@171.26,-421.26 v1(171.26,-444.88) 120.08,-393.7 ; v1(171.26,-419.29) v1(171.26,-393.7) 120.08,-393.7
  Bottom w39.37: v1(171.26,-393.7) v1(171.26,-419.29) v1(171.26,-444.88) 171.26,-1112.2 232.28,-1173.23 582.68,-1173.23 742.13,-1332.68 742.13,-1458.66 JP1.10@718.5,-1482.28
J7J8: J13.3 JP1.9 | length 1240.5
  Bottom w39.37: J13.3@50.79,-293.31 70.87,-313.39 70.87,-1289.37 163.78,-1382.28 JP1.9@268.5,-1382.28